# Altium PCB FIT_TDC_ADC.PcbDoc (part 3 of 10)
Units mm, origin at the board's own origin, x right, y up, seen from the top; angles counter-clockwise.
Board outline 89.38 x 69 mm, 8 copper layers (Top Layer, GND1, SIGNAL2, POWER3, POWER4, SIGNAL5, GND6, Bottom Layer), stack 1.028 mm thick; 495 components, 463 nets, 2013 pads, 1239 vias.
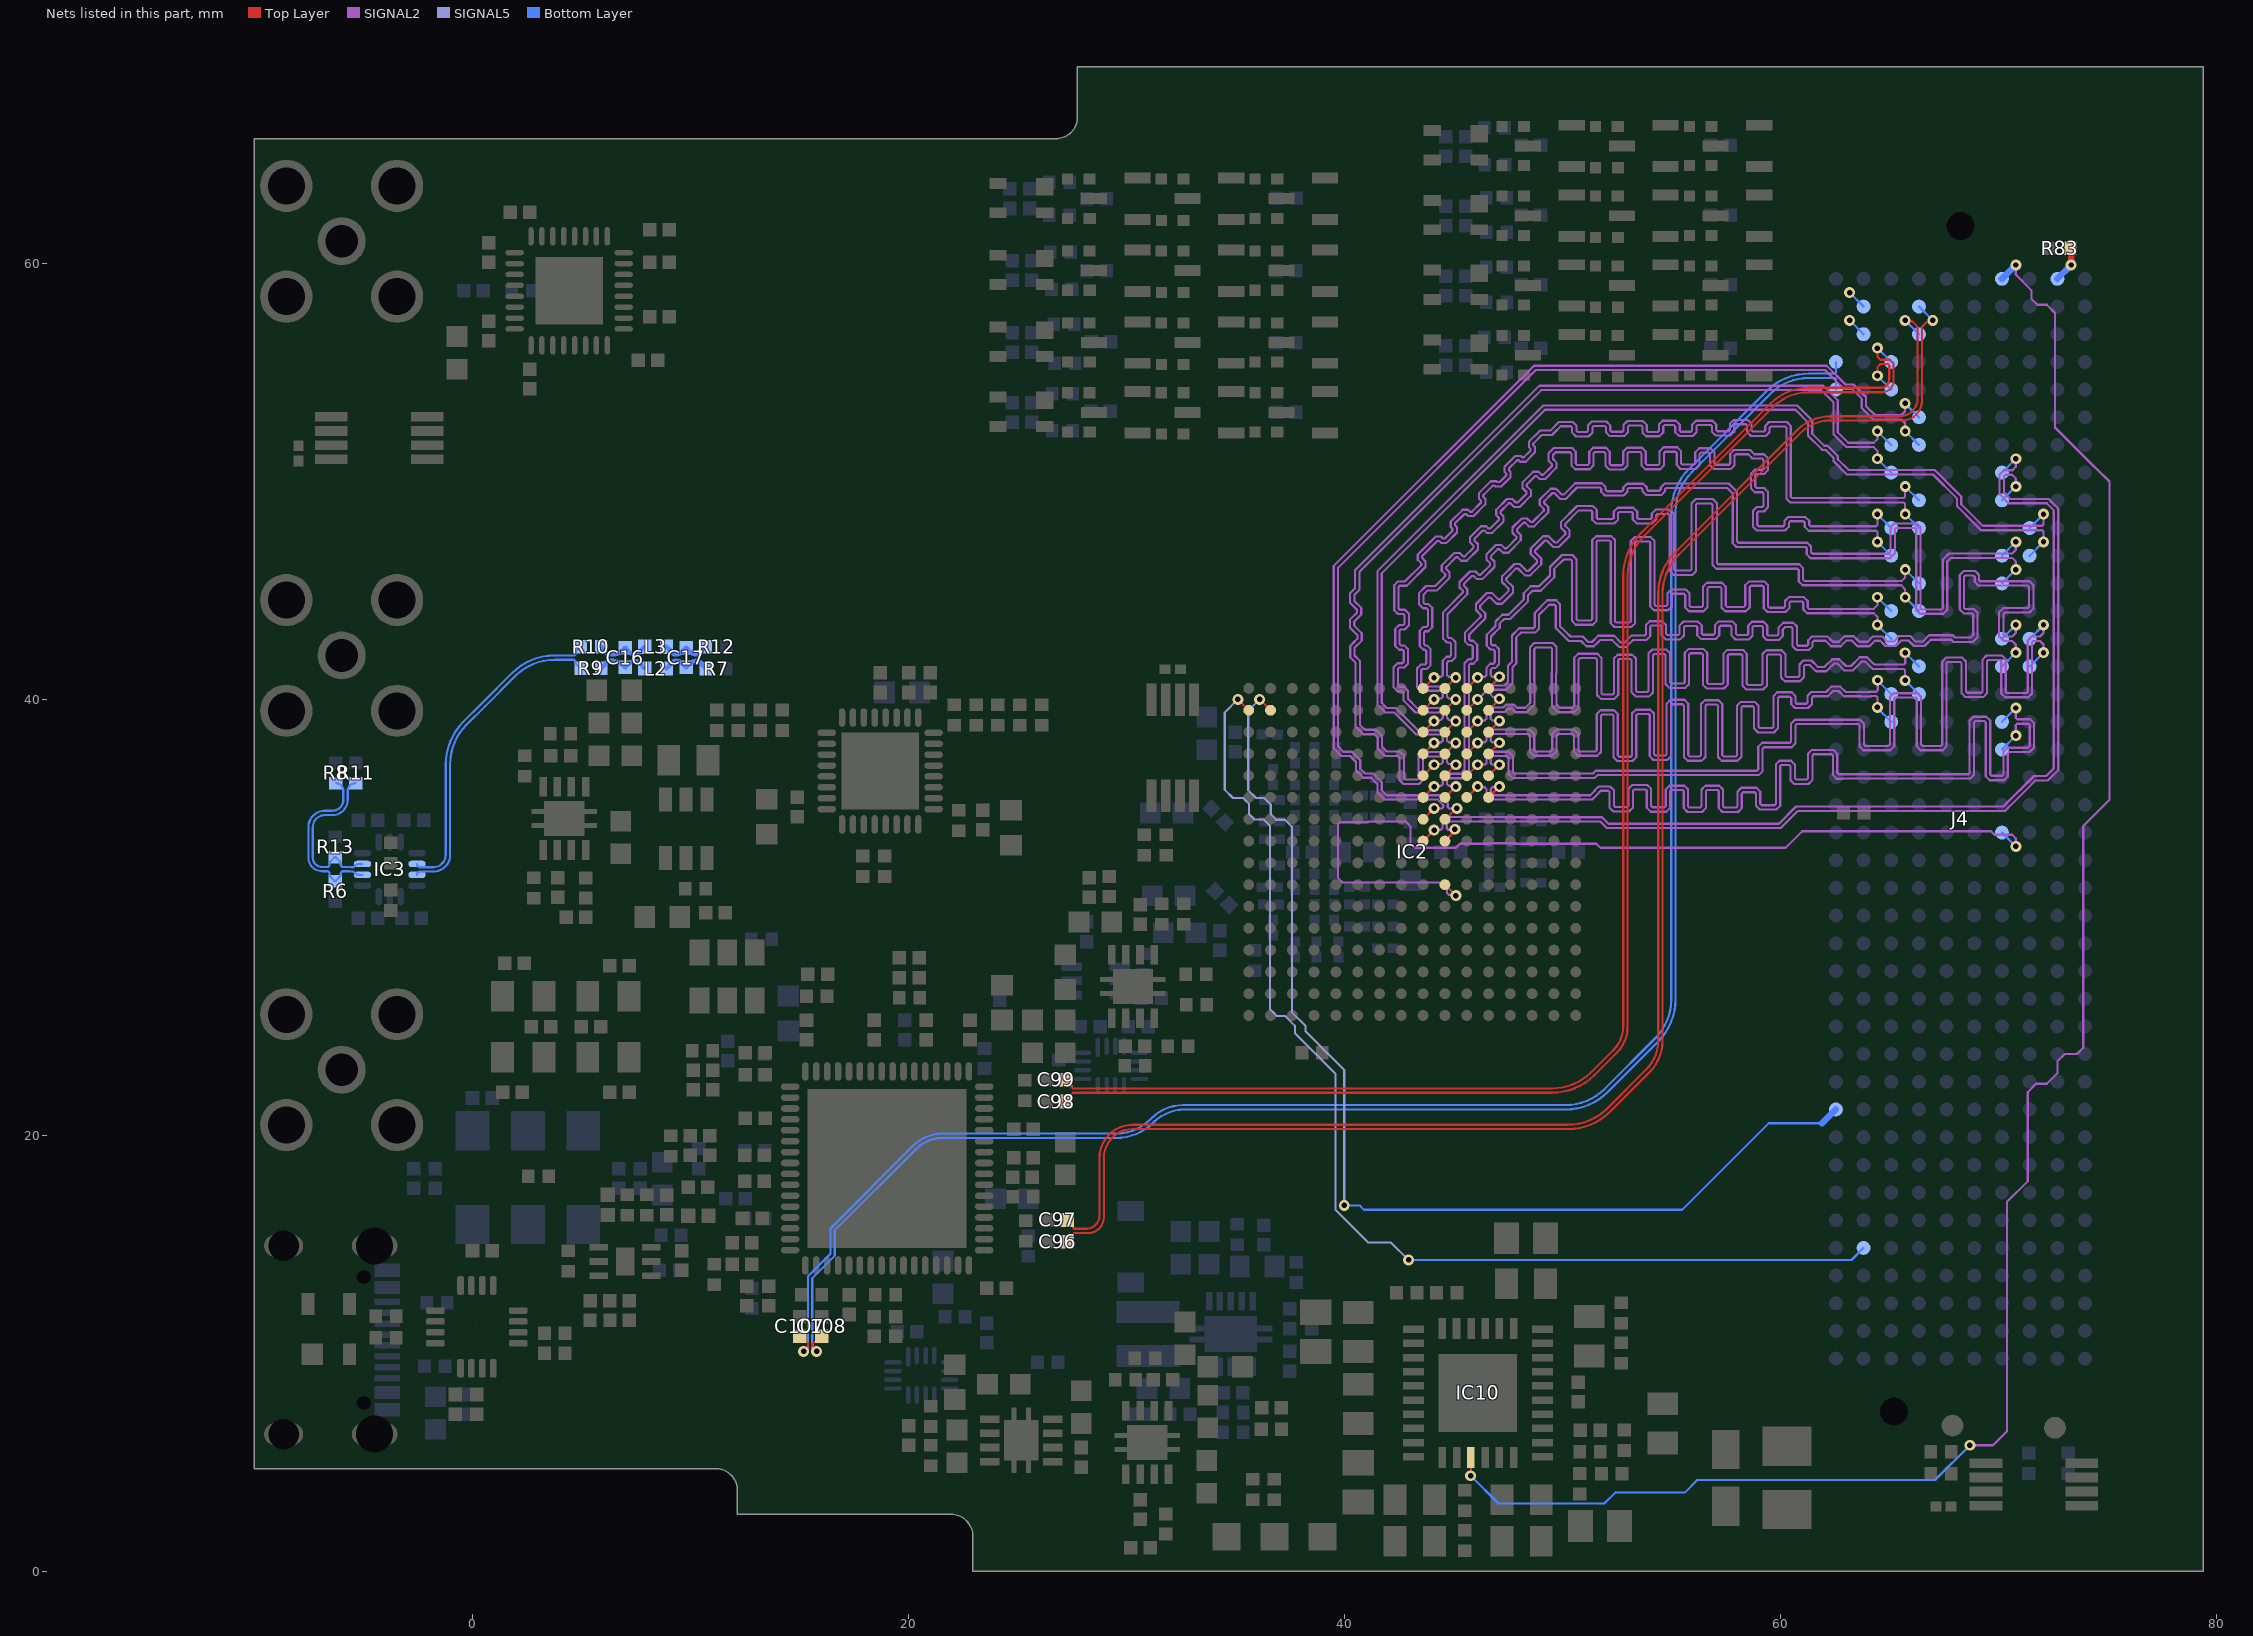
[diagram p9: the nets of this part, all layers, seen from the top]

## Via types
v1: diameter 0.5, hole 0.25, Top Layer to Bottom Layer, tented both sides, 1171 vias
v2: diameter 0.5, hole 0.25, Top Layer to Bottom Layer, tented bottom, 39 vias
v3: diameter 0.5, hole 0.25, Top Layer to Bottom Layer, 29 vias

## Nets (pads, with @x,y where several pads share a name; then routed paths per layer and width w, separated by ;. In a path a pad name is that pad's centre, name@x,y a point inside that pad or via, vN(x,y) a via of type N, cw(c..) or ccw(c..) an arc to the next point about the centre after c; other vN are vias at no path point) (continued)
AMP_IN_N: IC3.5 R6.2 R8.2 | length 8.1
  Bottom Layer w0.1: R8.2@-6.264,36.145 cw(c-6.264,35.806) -5.925,35.806 -5.925,35.375 cw(c-6.425,35.375) -6.425,34.875 -6.775,34.875 ccw(c-6.775,34.125) -7.525,34.125 -7.525,32.725 ccw(c-6.9,32.725) -6.9,32.1 -6.66,32.1 cw(c-6.66,32) -6.589,32.071 cw(c-6.66,32) -6.56,32 -6.56,31.966 ccw(c-6.377,31.966) -6.506,31.836 -6.334,31.664 ccw(c-6.3,31.698) R6.2@-6.3,31.65 ccw(c-6.3,31.698) -6.266,31.664 -6.118,31.812 ccw(c-6.306,32) -6.04,32 cw(c-5.94,32) -6.011,32.071 cw(c-5.94,32) -5.94,32.1 -5.653,32.1 cw(c-5.653,32.053) -5.619,32.086 -5.536,32.086 cw(c-5.536,31.886) -5.395,32.028 -5.378,32.011 ccw(c-5.197,32.192) -5.197,31.936 IC3.5@-5.045,31.936
AMP_IN_P: IC3.6 R11.2 R13.2 | length 7.8
  Bottom Layer w0.1: R11.2@-5.364,36.145 ccw(c-5.364,35.784) -5.725,35.784 -5.725,35.375 cw(c-6.425,35.375) -6.425,34.675 -6.775,34.675 ccw(c-6.775,34.125) -7.325,34.125 -7.325,32.725 ccw(c-6.9,32.725) -6.9,32.3 -6.66,32.3 ccw(c-6.66,32.4) -6.589,32.329 ccw(c-6.66,32.4) -6.56,32.4 -6.56,32.434 cw(c-6.377,32.434) -6.506,32.564 -6.334,32.736 cw(c-6.3,32.702) R13.2@-6.3,32.75 cw(c-6.3,32.702) -6.266,32.736 -6.118,32.588 cw(c-6.306,32.4) -6.04,32.4 ccw(c-5.94,32.4) -6.011,32.329 ccw(c-5.94,32.4) -5.94,32.3 -5.57,32.3 cw(c-5.57,32.253) -5.536,32.286 -5.495,32.286 ccw(c-5.495,32.386) -5.424,32.315 -5.378,32.361 cw(c-5.197,32.18) -5.197,32.436 IC3.6@-5.045,32.436
AMP_OUT_N: IC3.12 R10.1 | length 14.8
  Bottom Layer w0.1: IC3.12@-2.545,32.436 ccw(c-2.395,32.436) -2.395,32.286 -1.8,32.286 ccw(c-1.8,32.861) -1.225,32.861 -1.225,37.015 cw(c1.515,37.015) -0.422,38.953 0.438,39.812 1.824,41.199 cw(c3.761,39.261) 3.761,42.001 4.62,42.001 ccw(c4.62,42.101) 4.691,42.03 ccw(c4.62,42.101) 4.72,42.101 4.72,42.11 cw(c4.843,42.11) 4.756,42.197 R10.1@4.96,42.401
AMP_OUT_P: IC3.13 R9.1 | length 14.8
  Bottom Layer w0.1: IC3.13@-2.545,31.936 cw(c-2.395,31.936) -2.395,32.086 -1.8,32.086 ccw(c-1.8,32.861) -1.025,32.861 -1.025,37.015 cw(c1.515,37.015) -0.281,38.811 0.579,39.671 1.965,41.057 cw(c3.761,39.261) 3.761,41.801 4.62,41.801 cw(c4.62,41.701) 4.691,41.772 cw(c4.62,41.701) 4.72,41.701 4.72,41.692 ccw(c4.843,41.692) 4.756,41.605 R9.1@4.96,41.401
AMP_RLOUT_N: C17.1 L3.2 R12.1 | length 2.3
  Bottom Layer w0.2: L3.2@8.9,42.4 9.088,42.212 cw(c9.06,42.184) 9.1,42.184 ccw(c9.14,42.184) 9.112,42.156 9.159,42.109 ccw(c9.3,42.25) 9.3,42.05 9.359,42.05 ccw(c9.359,42.391) 9.6,42.15 C17.1@9.8,42.35 9.995,42.155 ccw(c10.249,42.409) 10.249,42.05 ccw(c10.249,42.398) 10.495,42.152 ccw(c10.458,42.189) 10.51,42.189 cw(c10.562,42.189) 10.525,42.225 R12.1@10.7,42.4
AMP_RLOUT_P: C17.2 L2.2 R7.1 | length 2.3
  Bottom Layer w0.2: L2.2@8.9,41.4 9.088,41.588 ccw(c9.06,41.616) 9.1,41.616 cw(c9.14,41.616) 9.112,41.644 9.159,41.691 cw(c9.3,41.55) 9.3,41.75 9.359,41.75 cw(c9.359,41.409) 9.6,41.65 C17.2@9.8,41.45 9.995,41.645 cw(c10.249,41.391) 10.249,41.75 cw(c10.249,41.402) 10.495,41.648 cw(c10.458,41.611) 10.51,41.611 ccw(c10.562,41.611) 10.525,41.575 R7.1@10.7,41.4
AMP_ROUT_N: C16.1 L3.1 R10.2 | length 2.5
  Bottom Layer w0.2: R10.2@5.9,42.401 6.075,42.226 cw(c6.038,42.19) 6.09,42.19 ccw(c6.142,42.19) 6.105,42.153 6.149,42.109 ccw(c6.292,42.252) 6.292,42.05 6.454,42.05 ccw(c6.454,42.643) 6.874,42.224 C16.1@7,42.35 7.2,42.15 ccw(c7.441,42.391) 7.441,42.05 ccw(c7.441,42.391) 7.683,42.15 7.688,42.156 ccw(c7.66,42.184) 7.7,42.184 cw(c7.74,42.184) 7.712,42.212 L3.1@7.9,42.4
AMP_ROUT_P: C16.2 L2.1 R9.2 | length 2.5
  Bottom Layer w0.2: R9.2@5.9,41.401 6.075,41.576 ccw(c6.04,41.612) 6.09,41.612 cw(c6.14,41.612) 6.105,41.648 6.149,41.691 cw(c6.29,41.55) 6.29,41.75 6.454,41.75 cw(c6.454,41.155) 6.874,41.576 C16.2@7,41.45 7.2,41.65 cw(c7.441,41.409) 7.441,41.75 cw(c7.441,41.409) 7.683,41.65 7.688,41.644 cw(c7.66,41.616) 7.7,41.616 ccw(c7.74,41.616) 7.712,41.588 L2.1@7.9,41.4
CALSTAT: IC2.B1 J4.j36 | length 52.6
  Top Layer w0.1: v1(35.104,39.985) IC2.B1@35.604,39.485
  SIGNAL5 w0.1: v1(35.104,39.985) 34.504,39.385 34.504,35.84 34.884,35.46 35.355,35.46 35.613,35.203 35.613,34.731 35.868,34.476 36.289,34.476 36.585,34.18 36.585,25.769 36.893,25.461 37.28,25.461 37.72,25.02 37.72,24.68 39.585,22.815 39.585,16.574 41.085,15.074 42.119,15.074 42.919,14.274 v1(42.941,14.274)
  Bottom Layer w0.1: v1(42.941,14.274) 42.947,14.268 63.249,14.268 J4.j36@63.805,14.824
CALTRIG: IC2.B2 J4.k31 | length 51
  Top Layer w0.1: v1(36.104,39.985) IC2.B2@36.604,39.485
  SIGNAL5 w0.1: v1(36.104,39.985) 35.585,39.466 35.585,35.812 35.934,35.463 36.319,35.463 36.615,35.167 36.615,34.709 36.862,34.462 37.27,34.462 37.585,34.147 37.585,25.637 38.211,25.011 38.211,24.758 39.985,22.984 v1(39.985,16.774)
  Bottom Layer w0.1: v1(39.985,16.774) 40.685,16.774 40.885,16.574 55.485,16.574 59.45,20.539 61.9,20.539
  Bottom Layer w0.3: 61.9,20.539 J4.k31@62.535,21.174
CARRIER_PWRON: IC10.19 J4.d1 | length 86.3
  Top Layer w0.1: v1(45.785,4.374) 45.795,4.384 IC10.19@45.795,5.207
  SIGNAL2 w0.1: v1(68.685,5.774) 69.745,5.774 70.383,6.412 70.383,16.935 71.333,17.885 71.333,21.966 71.719,22.352 72.209,22.352 72.695,22.838 72.695,23.384 73.028,23.717 73.597,23.717 73.885,24.005 73.885,34.174 75.085,35.374 75.085,49.974 74.44,50.619 74.419,50.619 72.585,52.454 72.585,57.707 72.21,58.082 71.786,58.082 71.503,58.365 71.503,58.756 70.79,59.469 v1(70.79,59.909)
  Bottom Layer w0.1: v1(45.785,4.374) 47.059,3.1 51.911,3.1 52.411,3.6 55.6,3.6 56.174,4.174 67.085,4.174 v1(68.685,5.774)
  Bottom Layer w0.3: J4.d1@70.155,59.274 v1(70.79,59.909)
CLK0_M2C_N: C99.2 J4.h5 | length 66.8
  Top Layer w0.1: C99.2@27.22,22.539 27.48,22.279 27.48,22.198 27.538,22.139 49.515,22.139 ccw(c49.515,24.679) 51.311,22.883 52.343,23.916 ccw(c51.278,24.981) 52.785,24.981 52.785,45.669 cw(c55.525,45.669) 53.587,47.606 59.528,53.547 cw(c61.285,51.79) 61.285,54.274 64.585,54.274 ccw(c64.585,54.674) 64.985,54.674 64.985,55.306 64.926,55.364 64.585,55.364 64.44,55.219 v1(64.44,54.829)
  Bottom Layer w0.1: v1(64.44,54.829) J4.h5@65.075,54.194
CLK0_M2C_P: C98.2 J4.h4 | length 67.5
  Top Layer w0.1: C98.2@27.22,21.539 27.48,21.799 27.48,21.881 27.538,21.939 49.515,21.939 ccw(c49.515,24.679) 51.452,22.742 52.485,23.774 ccw(c51.278,24.981) 52.985,24.981 52.985,45.669 cw(c55.525,45.669) 53.729,47.465 59.669,53.405 cw(c61.285,51.79) 61.285,54.074 64.668,54.074 ccw(c64.668,54.591) 65.185,54.591 65.185,55.389 65.009,55.564 64.585,55.564 64.44,55.709 v1(64.44,56.099)
  Bottom Layer w0.1: v1(64.44,56.099) J4.h4@65.075,55.464
CLK1_M2C_N: C97.2 J4.g3 | length 74.6
  Top Layer w0.1: C97.2@27.285,16.104 27.545,15.844 27.545,15.763 27.603,15.704 28.152,15.704 ccw(c28.152,16.312) 28.759,16.312 28.759,18.949 cw(c30.285,18.949) 30.285,20.474 50.25,20.474 ccw(c50.25,23.014) 52.046,21.218 53.843,23.016 ccw(c52.536,24.323) 54.385,24.323 54.385,44.822 cw(c57.125,44.822) 55.187,46.76 60.778,52.35 cw(c62.285,50.843) 62.285,52.974 65.485,52.974 ccw(c65.485,53.774) 66.285,53.774 66.285,57.074 66.033,57.326 65.753,57.326 v1(65.71,57.369)
  Bottom Layer w0.1: v1(65.71,57.369) J4.g3@66.345,56.734
CLK1_M2C_P: C96.2 J4.g2 | length 74.9
  Top Layer w0.1: C96.2@27.285,15.104 27.545,15.364 27.545,15.446 27.603,15.504 28.235,15.504 ccw(c28.235,16.229) 28.959,16.229 28.959,18.949 cw(c30.285,18.949) 30.285,20.274 50.25,20.274 ccw(c50.25,23.014) 52.187,21.077 53.985,22.874 ccw(c52.536,24.323) 54.585,24.323 54.585,44.822 cw(c57.125,44.822) 55.329,46.618 60.919,52.209 cw(c62.285,50.843) 62.285,52.774 65.568,52.774 ccw(c65.568,53.691) 66.485,53.691 66.485,57.074 66.703,57.293 66.903,57.293 v1(66.98,57.369)
  Bottom Layer w0.1: J4.g2@66.345,58.004 v1(66.98,57.369)
CLK2_BIDIR_N: C108.2 J4.k5 | length 83.4
  Top Layer w0.1: v1(15.785,10.074) 15.785,10.133 15.585,10.333 15.585,10.416 15.678,10.509 15.76,10.509 C108.2@16.02,10.769
  Bottom Layer w0.1: v1(15.785,10.074) 15.685,10.074 15.585,10.174 15.585,13.436 16.62,14.471 16.62,15.635 20.348,19.363 cw(c21.57,18.141) 21.57,19.869 29.522,19.869 ccw(c29.522,22.297) 31.239,20.58 cw(c32.673,19.147) 32.673,21.174 50.133,21.174 ccw(c50.133,23.914) 52.07,21.977 54.382,24.289 ccw(c52.445,26.226) 55.185,26.226 55.185,48.607 cw(c57.725,48.607) 55.929,50.403 59.511,53.985 cw(c61.307,52.189) 61.307,54.729 62.476,54.729 62.535,54.671 J4.k5@62.535,54.194
CLK2_BIDIR_P: C107.2 J4.k4 | length 83.7
  Top Layer w0.1: C107.2@15.02,10.769 15.28,10.509 15.326,10.509 15.385,10.451 15.385,10.309 15.185,10.109 v1(15.185,10.074)
  Bottom Layer w0.1: v1(15.185,10.074) 15.285,10.074 15.385,10.174 15.385,13.519 16.42,14.554 16.42,15.718 20.207,19.505 cw(c21.57,18.141) 21.57,20.069 29.522,20.069 ccw(c29.522,22.297) 31.097,20.722 31.156,20.78 cw(c32.59,19.347) 32.59,21.374 50.133,21.374 ccw(c50.133,23.914) 51.929,22.118 54.241,24.43 ccw(c52.445,26.226) 54.985,26.226 54.985,48.607 cw(c57.725,48.607) 55.787,50.545 59.369,54.127 cw(c61.307,52.189) 61.307,54.929 62.476,54.929 62.535,54.988 J4.k4@62.535,55.464
CLK3_BIDIR_N: J4.j3 | length 0.9
  Bottom Layer w0.1: v1(63.17,57.369) J4.j3@63.805,56.734
CLK3_BIDIR_P: J4.j2 | length 0.9
  Bottom Layer w0.1: v1(63.17,58.639) J4.j2@63.805,58.004
CLK_DIR: J4.b1 R83.1 | length 1.7
  Top Layer w0.3: R83.1@73.285,60.674 73.33,60.629 v1(73.33,59.909)
  Bottom Layer w0.3: J4.b1@72.695,59.274 v1(73.33,59.909)
DA_CLK_N: IC2.G10 J4.g7 | length 48.4
  Top Layer w0.1: IC2.G10@44.604,34.485 44.63,34.485 45.13,34.985 v1(45.156,34.985)
  SIGNAL2 w0.1: v1(45.156,34.985) 44.788,34.985 44.73,35.044 44.73,35.21 44.354,35.585 41.938,35.585 41.704,35.82 41.704,36.188 41.598,36.294 41.303,36.589 40.938,36.589 40.721,36.806 40.721,37.194 40.604,37.312 40.448,37.468 40.33,37.585 39.938,37.585 39.704,37.82 39.704,46.025 48.769,55.09 62.036,55.09 62.779,54.346 62.896,54.229 63.26,54.229 63.72,53.769 63.72,53.348 63.837,53.231 64.126,52.941 64.243,52.824 65.546,52.824 65.71,52.66 65.71,52.299 v1(65.72,52.289)
  Bottom Layer w0.1: v1(65.72,52.289) 65.72,52.279 J4.g7@66.345,51.654
DA_CLK_P: IC2.G9 J4.g6 | length 48.7
  Top Layer w0.1: IC2.G9@43.604,34.485 v1(44.104,34.985)
  SIGNAL2 w0.1: v1(44.104,34.985) 44.471,34.985 44.53,35.044 44.53,35.127 44.271,35.385 41.855,35.385 41.504,35.737 41.504,36.105 41.398,36.211 41.22,36.389 40.855,36.389 40.521,36.723 40.521,37.112 40.248,37.385 39.855,37.385 39.504,37.737 39.504,46.108 48.686,55.29 62.118,55.29 62.979,54.429 63.343,54.429 63.461,54.311 63.92,53.852 63.92,53.431 64.326,53.024 65.546,53.024 65.71,53.188 v1(65.71,53.559)
  Bottom Layer w0.1: v1(65.71,53.559) J4.g6@66.345,52.924
DA_D0_N: IC2.A10 J4.d12 | length 48
  Top Layer w0.1: IC2.A10@44.604,40.485 45.102,40.983 v1(45.102,40.985)
  SIGNAL2 w0.1: v1(45.102,40.985) 45.066,41.021 44.774,41.021 44.704,41.091 44.704,41.678 44.769,41.743 44.91,41.743 45.086,41.919 45.086,42.618 44.91,42.794 44.778,42.794 44.72,42.852 44.72,43.893 45.628,44.802 45.628,45.05 45.476,45.203 45.476,45.286 45.836,45.647 45.919,45.647 46.066,45.499 46.315,45.499 46.876,46.06 46.876,46.309 46.711,46.473 46.711,46.556 47.027,46.872 47.11,46.872 47.268,46.714 47.517,46.714 48.081,47.278 48.081,47.526 47.906,47.702 47.906,47.785 48.205,48.084 48.288,48.084 48.453,47.919 48.701,47.919 49.339,48.557 49.339,48.805 49.174,48.97 49.157,48.988 49.157,49.07 49.536,49.449 49.619,49.449 49.893,49.174 50.142,49.174 50.666,49.699 51.715,49.699 51.774,49.64 51.774,49.508 51.949,49.332 52.805,49.332 52.98,49.508 52.98,49.617 53.039,49.676 53.612,49.676 53.67,49.617 53.67,49.529 53.846,49.353 54.524,49.353 54.699,49.529 54.699,49.623 54.758,49.682 57.549,49.682 57.804,49.427 57.804,47.148 57.98,46.972 61.14,46.972 61.198,46.914 61.198,46.637 61.374,46.462 65.023,46.462 65.127,46.566 65.244,46.683 65.244,47.791 65.303,47.849 66.161,47.849 66.22,47.791 66.22,44.086 66.396,43.911 67.466,43.911 67.641,44.086 67.641,46.308 67.808,46.474 70.626,46.474 70.79,46.31 v1(70.79,45.939)
  Bottom Layer w0.1: J4.d12@70.155,45.304 v1(70.79,45.939)
DA_D0_P: IC2.A9 J4.d11 | length 48.3
  Top Layer w0.1: IC2.A9@43.604,40.485 44.102,40.983 v1(44.102,40.985)
  SIGNAL2 w0.1: v1(44.102,40.985) 44.137,41.021 44.434,41.021 44.504,41.091 44.504,41.761 44.686,41.943 44.827,41.943 44.886,42.001 44.886,42.535 44.827,42.594 44.696,42.594 44.52,42.769 44.52,43.976 45.428,44.885 45.428,44.968 45.276,45.12 45.276,45.369 45.753,45.847 46.002,45.847 46.149,45.699 46.232,45.699 46.676,46.143 46.676,46.226 46.511,46.39 46.511,46.639 46.944,47.072 47.193,47.072 47.351,46.914 47.434,46.914 47.881,47.361 47.881,47.444 47.706,47.619 47.706,47.868 48.122,48.284 48.371,48.284 48.535,48.119 48.618,48.119 49.139,48.64 49.139,48.723 48.974,48.888 48.957,48.905 48.957,49.153 49.453,49.649 49.701,49.649 49.976,49.374 50.059,49.374 50.583,49.899 51.798,49.899 51.974,49.723 51.974,49.591 52.032,49.532 52.722,49.532 52.78,49.591 52.78,49.7 52.956,49.876 53.695,49.876 53.87,49.7 53.87,49.612 53.929,49.553 54.441,49.553 54.499,49.612 54.499,49.706 54.675,49.882 57.631,49.882 58.004,49.51 58.004,47.231 58.062,47.172 61.222,47.172 61.398,46.997 61.398,46.72 61.457,46.662 64.94,46.662 65.044,46.766 65.044,47.874 65.22,48.049 66.244,48.049 66.42,47.874 66.42,44.169 66.478,44.111 67.383,44.111 67.441,44.169 67.441,46.391 67.725,46.674 70.626,46.674 70.79,46.838 v1(70.79,47.209)
  Bottom Layer w0.1: J4.d11@70.155,46.574 v1(70.79,47.209)
DA_D1_N: IC2.B10 J4.h11 | length 47.7
  Top Layer w0.1: IC2.B10@44.604,39.485 45.102,39.983 v1(45.102,39.985)
  SIGNAL2 w0.1: v1(45.102,39.985) 45.063,40.024 44.777,40.024 44.704,40.097 44.704,40.374 44.501,40.577 43.578,40.577 43.52,40.635 43.52,41.321 43.578,41.379 43.772,41.379 43.948,41.555 43.948,42.284 43.772,42.46 43.704,42.46 43.646,42.519 43.646,43.052 43.704,43.111 43.846,43.111 44.021,43.287 44.021,44.187 43.846,44.363 43.68,44.363 43.621,44.422 43.621,44.788 43.818,44.985 44.246,44.985 44.363,45.102 44.819,45.558 44.819,45.807 44.66,45.966 44.66,46.049 45.112,46.501 45.195,46.501 45.352,46.343 45.601,46.343 46.117,46.859 46.117,47.108 45.959,47.265 45.959,47.348 45.976,47.365 46.319,47.708 46.336,47.725 46.419,47.725 46.522,47.623 46.77,47.623 47.286,48.138 47.286,48.387 47.155,48.518 47.155,48.601 47.532,48.978 47.615,48.978 47.781,48.812 48.03,48.812 48.545,49.328 48.545,49.577 48.358,49.764 48.358,49.846 48.375,49.864 48.718,50.207 48.736,50.224 48.818,50.224 48.95,50.092 49.199,50.092 49.715,50.607 49.715,50.856 49.558,51.013 49.558,51.19 49.688,51.321 50.345,51.321 50.404,51.262 50.404,50.716 50.58,50.541 51.244,50.541 51.42,50.716 51.42,51.265 51.478,51.324 51.908,51.324 51.967,51.265 51.967,50.702 52.143,50.526 52.804,50.526 52.979,50.702 52.979,51.268 53.038,51.327 53.557,51.327 53.616,51.268 53.616,50.716 53.792,50.541 54.477,50.541 54.652,50.716 54.652,51.288 54.711,51.346 55.179,51.346 55.237,51.288 55.237,50.731 55.413,50.555 56.112,50.555 56.287,50.731 56.287,51.243 56.346,51.301 56.704,51.301 56.762,51.243 56.762,50.72 56.938,50.544 57.714,50.544 57.89,50.72 57.89,51.169 57.948,51.228 58.515,51.228 58.655,51.088 58.714,51.03 59.157,51.03 59.215,50.971 59.215,50.575 59.157,50.516 58.813,50.516 58.638,50.34 58.638,49.662 58.813,49.486 59.157,49.486 59.215,49.428 59.215,48.864 59.157,48.805 58.906,48.805 58.73,48.63 58.73,47.904 58.906,47.729 60.205,47.729 60.381,47.904 60.381,48.093 60.44,48.151 61.054,48.151 61.112,48.093 61.112,47.898 61.171,47.84 61.288,47.722 64.381,47.722 64.44,47.664 v1(64.44,47.209)
  Bottom Layer w0.1: v1(64.44,47.209) J4.h11@65.075,46.574
DA_D1_P: IC2.B9 J4.h10 | length 48.1
  Top Layer w0.1: IC2.B9@43.604,39.485 44.102,39.983 v1(44.102,39.985)
  SIGNAL2 w0.1: v1(44.102,39.985) 44.141,40.024 44.431,40.024 44.504,40.097 44.504,40.291 44.418,40.377 43.496,40.377 43.32,40.552 43.32,41.404 43.496,41.579 43.689,41.579 43.748,41.638 43.748,42.202 43.689,42.26 43.621,42.26 43.446,42.436 43.446,43.135 43.621,43.311 43.763,43.311 43.821,43.369 43.821,44.105 43.763,44.163 43.597,44.163 43.421,44.339 43.421,44.867 43.421,44.871 43.736,45.185 44.163,45.185 44.619,45.641 44.619,45.724 44.46,45.883 44.46,46.132 45.029,46.701 45.278,46.701 45.435,46.543 45.518,46.543 45.917,46.942 45.917,47.025 45.759,47.182 45.759,47.431 45.776,47.448 46.236,47.908 46.254,47.925 46.502,47.925 46.605,47.823 46.687,47.823 47.086,48.221 47.086,48.304 46.955,48.435 46.955,48.684 47.45,49.178 47.698,49.178 47.864,49.012 47.947,49.012 48.345,49.411 48.345,49.494 48.158,49.681 48.158,49.929 48.175,49.946 48.636,50.407 48.653,50.424 48.901,50.424 49.033,50.292 49.116,50.292 49.515,50.69 49.515,50.773 49.358,50.93 49.358,51.273 49.605,51.521 50.428,51.521 50.604,51.345 50.604,50.799 50.663,50.741 51.161,50.741 51.22,50.799 51.22,51.348 51.396,51.524 51.991,51.524 52.167,51.348 52.167,50.784 52.225,50.726 52.721,50.726 52.779,50.784 52.779,51.351 52.955,51.527 53.64,51.527 53.816,51.351 53.816,50.799 53.874,50.741 54.394,50.741 54.452,50.799 54.452,51.37 54.628,51.546 55.261,51.546 55.437,51.37 55.437,50.814 55.496,50.755 56.029,50.755 56.087,50.814 56.087,51.326 56.263,51.501 56.786,51.501 56.962,51.326 56.962,50.803 57.021,50.744 57.631,50.744 57.69,50.803 57.69,51.252 57.866,51.428 58.598,51.428 58.796,51.23 59.24,51.23 59.415,51.054 59.415,50.492 59.24,50.316 58.896,50.316 58.838,50.258 58.838,49.745 58.896,49.686 59.24,49.686 59.415,49.511 59.415,48.781 59.24,48.605 58.989,48.605 58.93,48.547 58.93,47.987 58.989,47.929 60.123,47.929 60.181,47.987 60.181,48.176 60.357,48.351 61.137,48.351 61.312,48.176 61.312,47.981 61.371,47.922 64.374,47.922 64.44,47.989 v1(64.44,48.479)
  Bottom Layer w0.1: v1(64.44,48.479) J4.h10@65.075,47.844
DA_D2_N: IC2.C10 J4.g10 | length 47.6
  Top Layer w0.1: IC2.C10@44.604,38.485 45.102,38.983 v1(45.102,38.985)
  SIGNAL2 w0.1: v1(45.102,38.985) 45.045,39.042 44.794,39.042 44.701,39.135 44.701,39.367 44.485,39.583 43.336,39.583 42.909,40.01 42.909,40.385 42.851,40.444 42.734,40.561 42.51,40.561 42.451,40.62 42.451,41.385 42.51,41.443 42.737,41.443 42.913,41.619 42.913,42.284 42.737,42.46 42.585,42.46 42.526,42.519 42.526,43.136 42.585,43.195 42.775,43.195 42.95,43.37 42.95,43.921 42.775,44.097 42.535,44.097 42.477,44.155 42.477,45.138 42.535,45.196 42.855,45.196 42.972,45.313 43.717,46.058 43.717,46.306 43.557,46.466 43.557,46.549 43.574,46.566 44.243,47.235 44.26,47.252 44.343,47.252 44.432,47.163 44.68,47.163 45.153,47.636 45.153,47.884 45.067,47.971 45.067,48.054 45.084,48.071 45.477,48.464 45.494,48.481 45.577,48.481 45.594,48.464 45.669,48.389 45.918,48.389 46.458,48.929 46.458,49.178 46.363,49.272 46.363,49.355 46.38,49.372 46.792,49.785 46.798,49.79 46.881,49.79 46.922,49.749 46.945,49.749 47.194,49.749 47.615,50.17 47.615,50.419 47.541,50.493 47.541,50.576 47.558,50.593 47.897,50.932 47.914,50.95 47.997,50.95 48.06,50.886 48.309,50.886 48.735,51.313 48.735,51.561 48.658,51.638 48.658,51.721 48.676,51.738 49.049,52.111 49.514,52.111 49.632,52.228 49.914,52.511 50.38,52.511 50.439,52.452 50.439,52.219 50.615,52.044 51.193,52.044 51.369,52.219 51.369,52.47 51.427,52.529 51.929,52.529 51.988,52.47 51.988,52.234 52.163,52.059 52.823,52.059 52.999,52.234 52.999,52.492 53.057,52.551 53.601,52.551 53.66,52.492 53.66,52.227 53.835,52.051 54.44,52.051 54.616,52.227 54.616,52.505 54.674,52.564 55.113,52.564 55.172,52.505 55.172,52.238 55.347,52.062 55.967,52.062 56.143,52.238 56.143,52.51 56.201,52.568 56.79,52.568 56.849,52.51 56.849,52.26 57.024,52.085 57.698,52.085 57.873,52.26 57.873,52.544 57.932,52.603 58.406,52.603 58.465,52.544 58.465,52.242 58.64,52.066 59.32,52.066 59.495,52.242 59.495,52.445 59.554,52.503 60.211,52.503 60.269,52.445 60.269,49.19 60.445,49.014 65.651,49.014 65.71,48.956 65.71,48.489 v1(65.72,48.479)